# KiCad board 4-ch-backplane.kicad_pcb (continued)
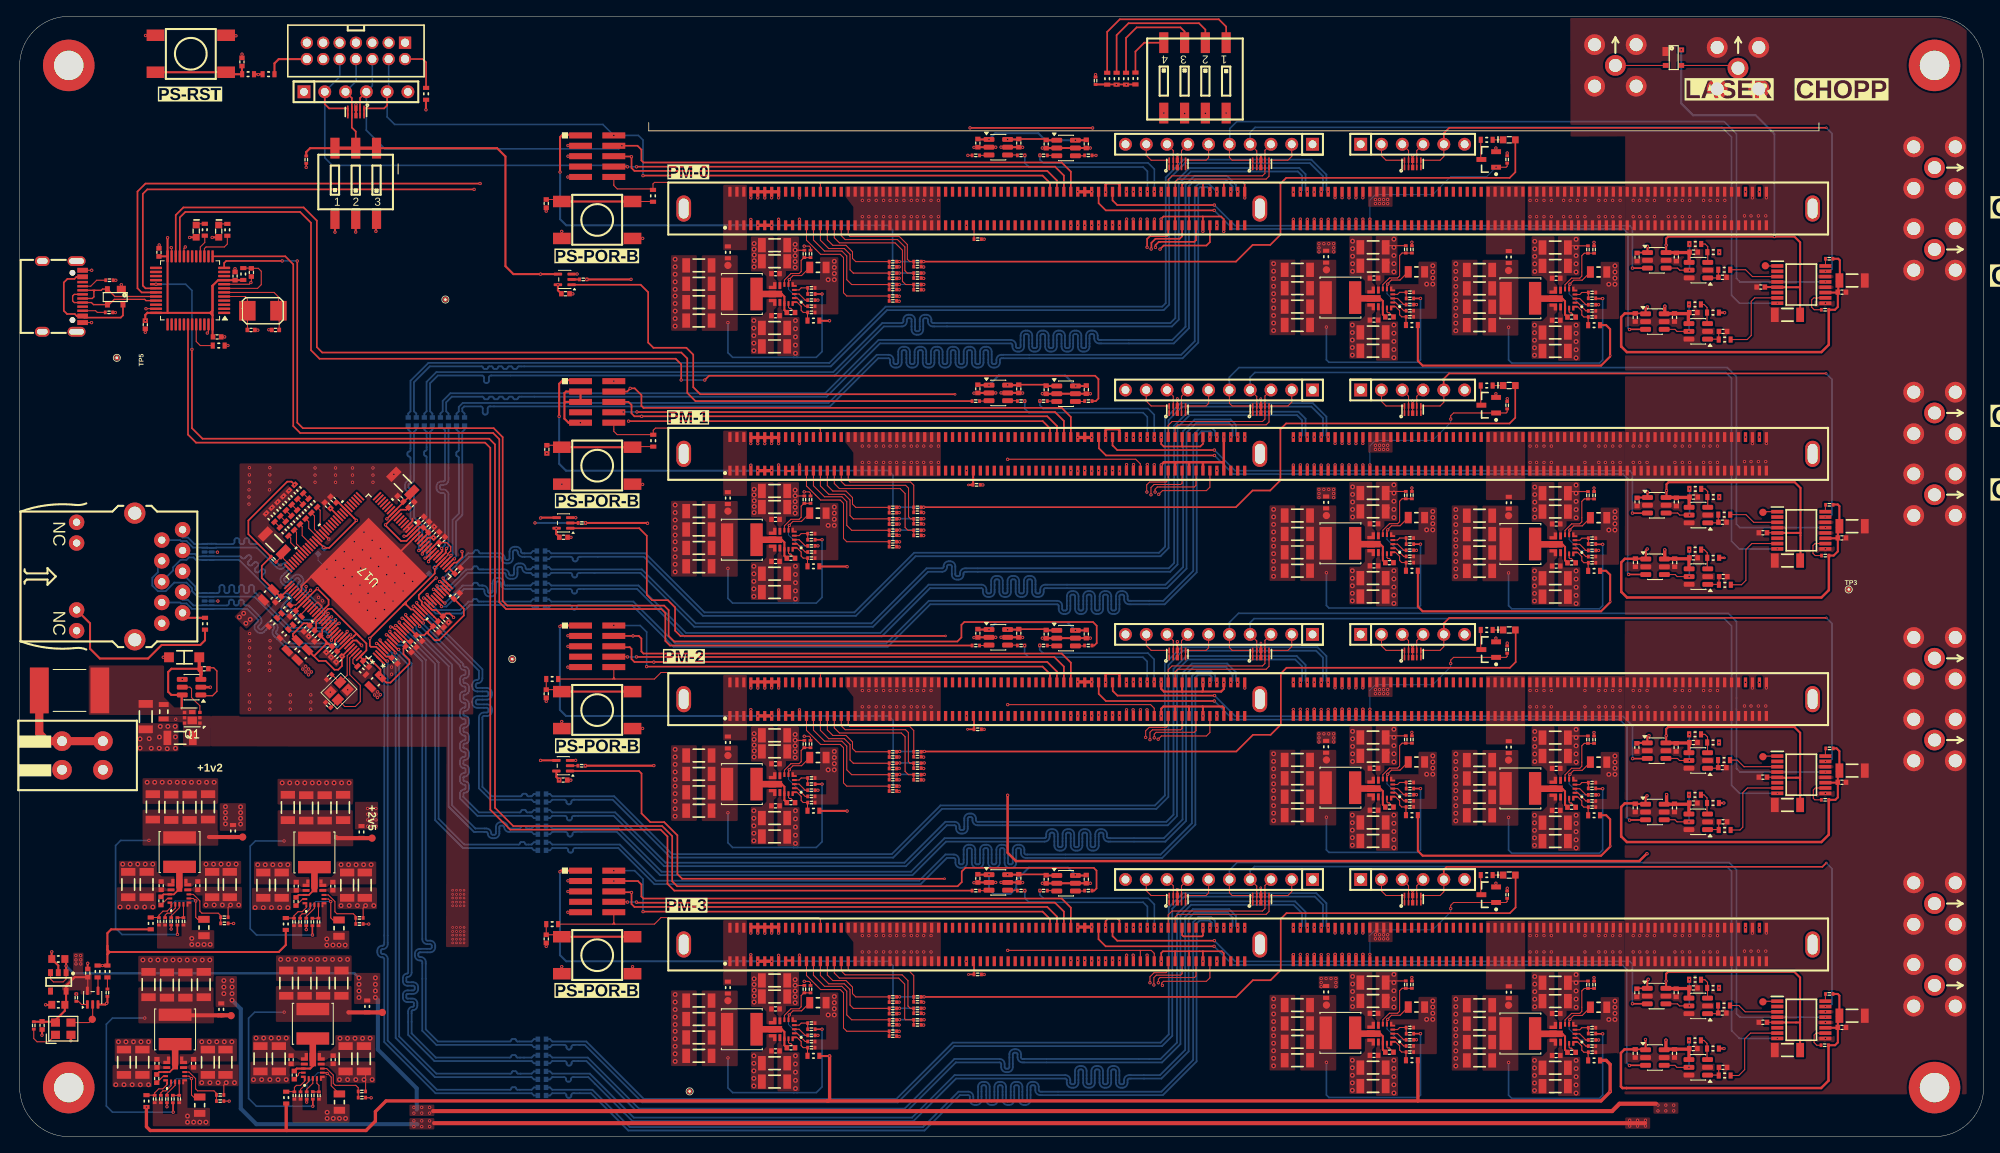
[diagram p0: board, top side]
## Routing (per net, layer and track width the routed paths; a pad name or vN(x,y) marks a point on that pad's centre or on a via; arc(x,y) is an arc through that point) (continued)
/TOP_LEVEL_IO/ETH4_TD2_N: length 121.5
  Bottom Layer w0.22: C130.2 64.81,9.95 65.09,9.67 69.43,9.67 75.68,3.42 108.15,3.42 114.23,9.5 119.76,9.5 arc(120.19,9.32) 120.37,8.89 120.37,8.5 arc(120.42,8.37) 120.56,8.31 120.76,8.31 arc(120.89,8.37) 120.94,8.5 120.94,10.08 arc(121.12,10.51) 121.56,10.69 121.76,10.69 arc(122.19,10.51) 122.37,10.08 122.37,9.69 arc(122.42,9.56) 122.56,9.5 139.43,9.5 141.43,11.5 141.43,27.23 142.98,28.78 155.85,28.78 157.14,27.49 157.14,25.76 v1(157.35,25.55)
/TOP_LEVEL_IO/ETH4_TD2_P: length 121.5
  Bottom Layer w0.22: C128.2 64.81,8.97 65.09,9.25 66.6,9.25 arc(66.77,9.18) 66.84,9.01 66.84,8.93 arc(66.91,8.76) 67.08,8.69 67.2,8.69 arc(67.37,8.76) 67.44,8.93 67.44,9.01 arc(67.51,9.18) 67.68,9.25 69.25,9.25 75.5,3 108.33,3 114.4,9.08 119.76,9.08 arc(119.89,9.02) 119.94,8.89 119.94,8.5 arc(120.12,8.07) 120.56,7.89 120.76,7.89 arc(121.19,8.07) 121.37,8.5 121.37,10.08 arc(121.42,10.21) 121.56,10.26 121.76,10.26 arc(121.89,10.21) 121.94,10.08 121.94,9.69 arc(122.12,9.26) 122.56,9.08 139.6,9.08 141.85,11.33 141.85,27.05 143.15,28.35 155.67,28.35 156.71,27.31 156.71,25.76 v1(156.5,25.55)
/TOP_LEVEL_IO/ETH4_TD3_N: length 121.5
  Bottom Layer w0.22: v1(159.9,25.55) 159.69,25.76 159.69,28.54 158.45,29.78 142.15,29.78 140.43,28.05 140.43,12.5 139.43,11.5 114.03,11.5 107.14,4.61 76.26,4.61 69.24,11.64 65.09,11.64 64.81,11.92 C132.2
/TOP_LEVEL_IO/ETH4_TD3_P: length 121.5
  Bottom Layer w0.22: C131.2 64.81,10.94 65.09,11.22 66.59,11.22 arc(66.76,11.15) 66.83,10.98 66.83,10.9 arc(66.9,10.73) 67.07,10.66 67.19,10.66 arc(67.36,10.73) 67.43,10.9 67.43,10.98 arc(67.5,11.15) 67.67,11.22 69.06,11.22 76.09,4.19 107.31,4.19 114.2,11.08 139.6,11.08 140.85,12.32 140.85,27.87 142.33,29.35 158.27,29.35 159.26,28.36 159.26,25.76 v1(159.05,25.55)
/TOP_LEVEL_IO/ETH5_TD0_N: length 29.8
  Top Layer w0.22: U17.113 37.37,62.93 37.99,63.56 v1(38.12,63.56)
  Bottom Layer w0.22: v1(38.12,63.56) 37.47,63.56 34.12,66.91 arc(33.94,67.34) 34.12,67.78 34.2,67.86 arc(34.26,67.99) 34.2,68.13 34.06,68.27 arc(33.93,68.32) 33.79,68.27 33.06,67.53 arc(32.63,67.35) 32.19,67.53 32.05,67.67 arc(31.87,68.11) 32.05,68.54 32.79,69.27 arc(32.84,69.41) 32.79,69.54 32.65,69.68 arc(32.51,69.74) 32.38,69.68 32.29,69.6 arc(31.86,69.42) 31.43,69.6 28.99,72.04 24.02,72.04 23.98,72 D28.7 22.96,72 22.92,72.04 21.19,72.04 20.39,72.84 19.73,72.84 19.61,72.95 J6.2
/TOP_LEVEL_IO/ETH5_TD0_P: length 29.8
  Top Layer w0.22: U17.112 37.07,63.23 37.69,63.86 v1(37.69,63.98)
  Bottom Layer w0.22: v1(37.69,63.98) 37.69,63.98 37.64,63.98 34.42,67.21 arc(34.36,67.34) 34.42,67.48 34.5,67.56 arc(34.68,67.99) 34.5,68.43 34.36,68.57 arc(33.93,68.75) 33.49,68.57 32.76,67.83 arc(32.63,67.78) 32.49,67.83 32.35,67.97 arc(32.3,68.11) 32.35,68.24 33.09,68.97 arc(33.27,69.41) 33.09,69.84 32.95,69.98 arc(32.51,70.16) 32.08,69.98 31.99,69.9 arc(31.86,69.84) 31.73,69.9 29.16,72.46 28.29,72.46 arc(28.12,72.53) 28.05,72.7 28.05,72.94 arc(27.98,73.11) 27.81,73.18 27.69,73.18 arc(27.52,73.11) 27.45,72.94 27.45,72.7 arc(27.38,72.53) 27.21,72.46 27.09,72.46 arc(26.92,72.53) 26.85,72.7 26.85,72.94 arc(26.78,73.11) 26.61,73.18 26.49,73.18 arc(26.32,73.11) 26.25,72.94 26.25,72.7 arc(26.18,72.53) 26.01,72.46 24.02,72.46 23.98,72.5 D28.6 22.96,72.5 22.92,72.46 21.36,72.46 20.56,73.26 19.91,73.26 J6.1
/TOP_LEVEL_IO/ETH5_TD1_N: length 29.8
  Top Layer w0.22: U17.116 38.22,62.08 38.92,62.78 v1(39.04,62.78)
  Bottom Layer w0.22: v1(39.04,62.78) 34.54,62.78 33.36,63.97 arc(33.25,64.01) 33.15,63.97 arc(32.74,63.8) 32.34,63.97 32.14,64.16 arc(31.97,64.57) 32.14,64.97 32.75,65.58 arc(32.8,65.71) 32.75,65.85 32.61,65.99 arc(32.47,66.04) 32.34,65.99 32.27,65.92 arc(31.84,65.74) 31.41,65.92 26.78,70.54 21.53,70.54 21.24,70.83 20.69,70.83 20.39,70.53 19.66,70.53 18.76,69.62 18.76,69.25 J6.6
/TOP_LEVEL_IO/ETH5_TD1_P: length 29.9
  Top Layer w0.22: U17.115 37.92,62.38 38.62,63.08 v1(38.62,63.21)
  Bottom Layer w0.22: v1(38.62,63.21) 38.61,63.21 38.35,63.21 38.29,63.15 37.95,63.15 37.89,63.21 34.72,63.21 33.66,64.27 arc(33.25,64.43) 32.85,64.27 arc(32.74,64.22) 32.64,64.27 32.44,64.46 arc(32.4,64.57) 32.44,64.67 33.05,65.28 arc(33.23,65.71) 33.05,66.15 32.91,66.29 arc(32.47,66.47) 32.04,66.29 31.97,66.22 arc(31.84,66.16) 31.71,66.22 29.64,68.29 arc(29.57,68.46) 29.64,68.62 29.95,68.93 arc(30.02,69.1) 29.95,69.27 29.86,69.36 arc(29.69,69.43) 29.52,69.36 29.21,69.05 arc(29.04,68.98) 28.87,69.05 28.79,69.13 arc(28.72,69.3) 28.79,69.47 29.1,69.78 arc(29.17,69.95) 29.1,70.12 29.01,70.21 arc(28.84,70.28) 28.67,70.21 28.37,69.9 arc(28.2,69.83) 28.03,69.9 27.94,69.98 arc(27.87,70.15) 27.94,70.32 28.25,70.63 arc(28.32,70.8) 28.25,70.97 28.16,71.05 arc(28,71.12) 27.83,71.05 27.52,70.75 arc(27.35,70.68) 27.18,70.75 26.96,70.96 21.71,70.96 21.42,71.26 20.34,71.26 J6.3
/TOP_LEVEL_IO/ETH5_TD2_N: length 29.9
  Top Layer w0.22: v1(38.1,60.71) 38.1,60.84 38.76,61.5 U17.118
  Bottom Layer w0.22: v1(38.1,60.71) 38.1,61.67 37.55,62.21 33.11,62.21 28.86,66.46 arc(28.69,66.53) 28.62,66.7 28.62,67.2 arc(28.55,67.37) 28.38,67.44 28.26,67.44 arc(28.09,67.37) 28.02,67.2 28.02,66.7 arc(27.95,66.53) 27.78,66.46 27.66,66.46 arc(27.49,66.53) 27.42,66.7 27.42,67.2 arc(27.35,67.37) 27.18,67.44 27.06,67.44 arc(26.89,67.37) 26.82,67.2 26.82,66.7 arc(26.75,66.53) 26.58,66.46 26.46,66.46 arc(26.29,66.53) 26.22,66.7 26.22,67.2 arc(26.15,67.37) 25.98,67.44 25.86,67.44 arc(25.69,67.37) 25.62,67.2 25.62,66.7 arc(25.55,66.53) 25.38,66.46 25.26,66.46 arc(25.09,66.53) 25.02,66.7 25.02,67.2 arc(24.95,67.37) 24.78,67.44 24.66,67.44 arc(24.49,67.37) 24.42,67.2 24.42,66.7 arc(24.35,66.53) 24.18,66.46 21.92,66.46 21.49,66.89 21.49,67.25 19.91,68.83 J6.5
/TOP_LEVEL_IO/ETH5_TD2_P: length 29.9
  Top Layer w0.22: v1(37.67,61.14) 37.8,61.14 38.47,61.8 U17.117
  Bottom Layer w0.22: v1(37.67,61.14) 37.67,61.49 37.38,61.79 32.94,61.79 28.68,66.04 21.74,66.04 21.07,66.72 21.07,67.07 20.39,67.75 18.89,67.75 17.85,66.71 16.89,66.71 16.22,67.39 16.22,68.34 16.89,69.02 16.89,69.94 J6.4
/TOP_LEVEL_IO/ETH5_TD3_N: length 29.8
  Top Layer w0.22: v1(40.45,61.36) 40.32,61.36 39.63,60.67 U17.121
  Bottom Layer w0.22: v1(40.45,61.36) 40.32,61.36 38.84,59.88 37.75,59.88 37.74,59.89 32.44,59.89 31.07,61.25 arc(30.89,61.69) 31.07,62.12 31.07,62.12 arc(31.13,62.26) 31.07,62.39 30.93,62.53 arc(30.8,62.59) 30.67,62.53 29.88,61.75 arc(29.45,61.57) 29.02,61.75 28.88,61.89 arc(28.7,62.32) 28.88,62.75 29.09,62.97 arc(29.15,63.1) 29.09,63.23 27.78,64.54 21.06,64.54 20.39,65.21 19.73,65.21 19.61,65.32 J6.8
/TOP_LEVEL_IO/ETH5_TD3_P: length 29.8
  Top Layer w0.22: v1(40.02,61.78) 40.02,61.66 39.33,60.97 U17.120
  Bottom Layer w0.22: v1(40.02,61.78) 40.02,61.66 38.66,60.3 37.93,60.3 37.92,60.31 32.61,60.31 31.37,61.55 arc(31.31,61.69) 31.37,61.82 31.37,61.82 arc(31.55,62.26) 31.37,62.69 31.23,62.83 arc(30.8,63.01) 30.37,62.83 29.58,62.05 arc(29.45,61.99) 29.32,62.05 29.18,62.19 arc(29.12,62.32) 29.18,62.45 29.39,62.67 arc(29.57,63.1) 29.39,63.53 27.96,64.96 27.62,64.96 arc(27.45,65.03) 27.38,65.2 27.38,65.42 arc(27.31,65.59) 27.14,65.66 27.02,65.66 arc(26.85,65.59) 26.78,65.42 26.78,65.2 arc(26.71,65.03) 26.54,64.96 26.42,64.96 arc(26.25,65.03) 26.18,65.2 26.18,65.42 arc(26.11,65.59) 25.94,65.66 25.82,65.66 arc(25.65,65.59) 25.58,65.42 25.58,65.2 arc(25.51,65.03) 25.34,64.96 21.23,64.96 20.56,65.63 19.91,65.63 J6.7
/TOP_LEVEL_IO/ETHERNET/ETH_LD1: length 39
  Top Layer w0.12: U17.102 34.24,66.04 35,66.8 v1(35,67.28)
  In1.Cu w0.25: v1(35,67.28) 35,67.2 34.93,67.28 34.93,67.4 27.55,74.78 27.55,77 25.7,78.85 7.92,78.85 6.96,77.89 J6.11
/TOP_LEVEL_IO/ETHERNET/ETH_LD2: length 46.7
  Top Layer w0.12: R141.2 33.74,65.01 34.49,65.76 U17.103 34.52,65.8 v1(35.55,66.82)
  In1.Cu w0.2: v1(35.55,66.82) 34.35,65.62 33.03,65.62 30.07,68.57 24.18,68.57 23.2,67.6 23.2,58.7 22.25,57.75 8.14,57.75 6.96,58.92 J6.14
/TOP_LEVEL_IO/HOUSE_POWER/CLK_1MHz: length 4.3
  Top Layer w0.12: 8.92,14.6 U13.2 ; Y1.3 8.47,13.95 8.72,14.2 8.92,14.2
/TOP_LEVEL_IO/HOUSE_POWER/SYNC_CLK: length 563.5
  Top Layer w0.25: R67.1 170.86,94.87 171.44,94.29 193.25,94.29 194.36,95.4 v3(194.36,95.53) 194.36,98.75 193.87,99.24 193.16,99.24 ; 11,22.58 31.66,22.58 32.52,23.44 R104.1 ; 11,22.58 11,22.56 10.72,22.29 ; 11,22.58 10.72,22.85 10.72,23.32 ; v1(98.97,99.77) 97.73,99.77 ; R71.2 R70.2 ; R71.2 v1(10.12,20.92) ; R71.2 10.72,22.29 ; 10.72,23.32 10.72,22.29 ; 10.72,23.32 10.72,24.89 11.19,25.35 R110.1 ; 193.16,69.2 193.87,69.2 194.36,68.71 v3(194.36,65.43) 194.36,65.35 193.25,64.24 171.45,64.24 170.87,64.83 170.87,69.21 ; v1(101.12,39.82) 101.1,39.83 97.73,39.83 ; 193.16,39.31 193.87,39.31 194.36,38.82 v3(194.36,35.54) 194.36,35.46 193.25,34.35 171.45,34.35 170.87,34.94 170.87,39.32 ; 97.73,69.72 101.09,69.72 v1(101.12,69.7) ; v1(98.97,9.86) 97.73,9.86
  Top Layer w0.4: 98.66,4.37 170.81,4.37 ; 98.66,4.37 44.77,4.37 43.47,3.07 43.47,1.9 42.32,0.75 15.96,0.75 15.5,1.21 v1(15.5,3.62) ; 98.66,4.37 98.88,4.37 98.97,4.47 98.97,9.85 v1(98.97,9.86) ; 193.16,9.33 193.87,9.33 194.36,8.84 v3(194.36,5.56) 194.36,5.48 193.25,4.37 170.87,4.37 ; 32.57,0.99 R93.1 ; 170.87,9.34 170.87,4.37
  In1.Cu w0.4: v3(194.36,5.56) 194.36,9.09 196.36,11.09 196.36,33.54 v3(194.36,35.54) ; v1(98.97,9.86) 100.81,9.86 101.12,10.17 101.12,99.12 100.46,99.77 v1(98.97,99.77) ; 194.36,65.43 194.36,68.96 196.35,70.96 196.35,93.53 v3(194.36,95.53) ; v1(10.12,20.92) 10.12,2.69 12.03,0.78 14.85,0.78 15.5,1.43 15.5,3.61 v1(15.5,3.62) ; v3(194.36,65.43) 196.35,63.44 196.35,41.09 194.36,39.09 194.36,35.56
/TOP_LEVEL_IO/HOUSE_POWER/TPS543320_BUCK_1V2/BP5: length 10.7
  Top Layer w0.12: R99.1 v1(18.52,25.39) ; U3.6 21.22,29.13 21.52,28.83 21.52,26.83 21.77,26.57 C29.2
  Bottom Layer w0.12: 21.56,28.82 19,28.82 18.56,28.38 18.56,25.38
  vias: v1(21.52,28.82)
/TOP_LEVEL_IO/HOUSE_POWER/TPS543320_BUCK_1V2/FB: length 2.4
  Top Layer w0.12: 19.27,26.78 R91.2 20.02,26.78 U3.4
/TOP_LEVEL_IO/HOUSE_POWER/TPS543320_BUCK_1V2/L+: length 5.4
  Top Layer w0.2: U3.10 19.52,30.3 18.85,29.63 U3.13 17.57,29.63 C129.2
  Top Layer w0.8: U3.10 19.52,33.03
/TOP_LEVEL_IO/HOUSE_POWER/TPS543320_BUCK_1V2/L-: length 28.7
  Top Layer w0.2: 19.27,25.88 19.27,24.74 v1(19.29,24.72) ; 23.05,38.8 C111.2
  Top Layer w0.5: 25.47,36.64 23.13,36.64 ; 25.47,36.64 26.06,36.64 26.07,36.64 TP13.1 ; 25.47,36.64 26.38,36.64
  Bottom Layer w0.2: 19.36,24.72 12.5,24.72 11.72,25.5 11.72,35.6 12.35,36.22 15.86,36.22
  vias: v1(15.81,36.23)
/TOP_LEVEL_IO/HOUSE_POWER/TPS543320_BUCK_1V2/MODE: length 2.4
  Top Layer w0.12: R105.2 17.77,27.08 18.02,27.33 18.4,27.33 19.02,27.95 U3.2
/TOP_LEVEL_IO/HOUSE_POWER/TPS543320_BUCK_1V8/BP5: length 10.3
  Top Layer w0.12: U18.6 20.7,7.4 21,7.1 21,5.1 21.25,4.85 C30.2 ; R107.1 v1(18,3.66)
  Bottom Layer w0.12: 21.04,7.08 21.03,7.09 19.15,7.09 18.04,5.98 18.04,3.65
  vias: v1(21,7.1)
/TOP_LEVEL_IO/HOUSE_POWER/TPS543320_BUCK_1V8/FB: length 2.4
  Top Layer w0.12: U18.4 19.5,5.05 R92.2 18.75,5.05
/TOP_LEVEL_IO/HOUSE_POWER/TPS543320_BUCK_1V8/L+: length 5.4
  Top Layer w0.2: U18.10 19,8.57 18.33,7.9 U18.13 17.05,7.9 C141.2
  Top Layer w0.8: U18.10 19,11.3
/TOP_LEVEL_IO/HOUSE_POWER/TPS543320_BUCK_1V8/L-: length 31.7
  Top Layer w0.2: 24.64,14.85 24.65,14.84 ; 18.75,4.15 18.75,3.01 v1(18.77,3) ; 19.07,14.84 L11.2 ; 25.8,14.84 TP14.1
  Top Layer w0.5: 24.65,14.84 19.07,14.84 ; R118.1 25.8,14.84
  Bottom Layer w0.2: 15.35,14.5 11.35,14.5 10.6,13.75 10.6,3.75 11.35,3 18.85,3
  vias: v1(15.29,14.5)
/TOP_LEVEL_IO/HOUSE_POWER/TPS543320_BUCK_1V8/MODE: length 2.4
  Top Layer w0.12: U18.2 18.5,6.23 17.88,5.6 17.5,5.6 17.25,5.35 R106.2
/TOP_LEVEL_IO/HOUSE_POWER/TPS543320_BUCK_2V5/BP5: length 10.3
  Top Layer w0.12: C28.2 38.28,26.5 38.02,26.76 38.02,28.76 37.72,29.06 U2.6 ; R98.1 v1(35.02,25.32)
  Bottom Layer w0.12: 38.07,28.75 38.06,28.76 36.18,28.76 35.07,27.65 35.07,25.32
  vias: v1(38.02,28.75)
/TOP_LEVEL_IO/HOUSE_POWER/TPS543320_BUCK_2V5/FB: length 2.4
  Top Layer w0.12: U2.4 36.52,26.71 R80.2 R1.1
/TOP_LEVEL_IO/HOUSE_POWER/TPS543320_BUCK_2V5/L+: length 5.4
  Top Layer w0.2: U2.10 36.02,30.23 35.35,29.56 U2.13 34.07,29.56 C117.2
  Top Layer w0.8: U2.10 L8.1
/TOP_LEVEL_IO/HOUSE_POWER/TPS543320_BUCK_2V5/L-: length 28.2
  Top Layer w0.2: R1.2 35.77,24.67 v1(35.79,24.65)
  Top Layer w0.5: 38.66,36.66 38.81,36.51 TP12.1
  Bottom Layer w0.2: 35.86,24.66 28.94,24.66 28.18,25.43 28.18,35.53 28.81,36.16 32.36,36.16
  vias: v1(32.31,36.16)
/TOP_LEVEL_IO/HOUSE_POWER/TPS543320_BUCK_2V5/MODE: length 2.4
  Top Layer w0.12: R5.2 34.27,27.01 34.52,27.26 34.9,27.26 35.52,27.88 U2.2
/TOP_LEVEL_IO/HOUSE_POWER/TPS543620_BUCK_5V0_HOUSE/FB: length 2.5
  Top Layer w0.12: 35.82,5.47 R66.2 36.57,6.28 36.32,6.53 U22.4
/TOP_LEVEL_IO/HOUSE_POWER/TPS543620_BUCK_5V0_HOUSE/L+: length 5.8
  Top Layer w0.25: U22.10 35.82,8.65 35.5,8.33 U22.13 33.86,8.33 C104.1
  Top Layer w0.8: U22.10 35.82,11.97
/TOP_LEVEL_IO/HOUSE_POWER/TPS543620_BUCK_5V0_HOUSE/L-: length 27.8
  Top Layer w0.2: 35.82,4.57 v1(35.82,3.72)
  Top Layer w0.5: TP10.1 40.19,15.19 40.18,15.2
  Bottom Layer w0.2: 32.37,15.22 28.72,15.22 27.97,14.47 27.97,4.67 28.93,3.72 35.87,3.72
  vias: v1(32.32,15.22)
/TOP_LEVEL_IO/HOUSE_POWER/TPS543620_BUCK_5V0_HOUSE/MODE: length 2.1
  Top Layer w0.12: R95.2 34.32,5.78 35.33,6.78 U22.2
/TOP_LEVEL_IO/INPUT_PROTECTION/Gate: length 4.5
  Top Layer w0.12: Q1.3 22.03,52.69 21.75,52.97 21.73,52.97 21.01,53.69 21.01,54.77 20.81,54.97 U1.5
/TOP_LEVEL_IO/JTAG/PS-RST-B: length 5.5
  Top Layer w0.25: R111.2 31.14,131.25 31.66,131.77 J2.14
/TOP_LEVEL_IO/JTAG/Vref: length 5.9
  Top Layer w0.2: R112.2 49.66,131.38 49.26,131.77 J2.2
/TOP_LEVEL_IO/LASER_SYNC_INPUT: length 132.3
  Top Layer w0.12: U16.2 J19.1
  In1.Cu w0.276: J19.1 195,124.05 195.62,123.42 203.43,123.42 204.6,122.25 204.6,110.38 205.3,109.67 207.38,109.67 207.69,109.36 v1(207.69,108.16) 207.69,85.73 208.39,85.02 208.39,79 207.69,78.29 v1(207.69,78.21) 207.69,56.46 208.81,55.34 208.81,49.63 207.66,48.48 v1(207.66,48.2) 207.66,27.19 208.57,26.28 208.57,19.1 v1(207.66,18.19)
/TOP_LEVEL_IO/NET_SWITCH/E1_TD0_N: length 70
  Top Layer w0.22: U17.2 43.98,58.97 44.79,58.16 v1(44.92,58.16)
  Bottom Layer w0.22: v1(44.92,58.16) 44.92,58.03 44.97,57.97 44.97,23.54 arc(44.8,23.11) 44.36,22.93 44.32,22.93 arc(44.19,22.87) 44.13,22.74 44.13,22.54 arc(44.19,22.4) 44.32,22.35 44.36,22.35 arc(44.8,22.17) 44.97,21.74 44.97,11.75 50.99,5.74 59.92,5.74 arc(60.03,5.78) 60.08,5.89 arc(60.12,6) 60.23,6.04 60.52,6.04 arc(60.63,6) 60.68,5.89 arc(60.72,5.78) 60.83,5.74 62.56,5.74 62.84,6.02 C73.1
/TOP_LEVEL_IO/NET_SWITCH/E1_TD0_P: length 70.1
  Top Layer w0.22: U17.1 43.68,58.67 44.49,57.86 v1(44.49,57.73)
  Bottom Layer w0.22: C69.1 62.84,5.03 62.56,5.31 50.81,5.31 44.55,11.57 44.55,21.74 arc(44.5,21.87) 44.36,21.93 44.32,21.93 arc(43.89,22.11) 43.71,22.54 43.71,22.74 arc(43.89,23.17) 44.32,23.35 44.36,23.35 arc(44.5,23.4) 44.55,23.54 44.55,57.66 44.62,57.73 v1(44.49,57.73)
/TOP_LEVEL_IO/NET_SWITCH/E1_TD1_N: length 70.1
  Top Layer w0.22: v1(44.04,60.74) 44.04,60.61 44.81,59.84 U17.5
  Bottom Layer w0.22: v1(44.04,60.74) 44.04,60.61 45.49,59.16 45.49,58.99 45.73,58.75 45.9,58.75 46.38,58.27 46.38,12.25 50.92,7.7 59.99,7.7 arc(60.1,7.75) 60.14,7.86 arc(60.19,7.97) 60.29,8.01 60.59,8.01 arc(60.7,7.97) 60.74,7.86 arc(60.79,7.75) 60.89,7.7 62.56,7.7 62.84,7.98 C116.1
/TOP_LEVEL_IO/NET_SWITCH/E1_TD1_P: length 70.1
  Top Layer w0.22: U17.4 44.51,59.54 43.74,60.31 v1(43.61,60.31)
  Bottom Layer w0.22: v1(43.61,60.31) 43.74,60.31 45.06,58.99 45.06,58.81 45.55,58.32 45.73,58.32 45.95,58.1 45.95,12.07 50.75,7.28 62.56,7.28 62.84,7 C81.1
/TOP_LEVEL_IO/NET_SWITCH/E1_TD2_N: length 70.1
  Top Layer w0.22: U17.7 45.39,60.39 46.2,59.58 v1(46.32,59.58)
  Bottom Layer w0.22: v1(46.32,59.58) 46.32,59.46 47.9,57.88 47.9,20.05 arc(47.74,19.68) 47.37,19.52 arc(47.29,19.49) 47.26,19.41 47.26,18.99 arc(47.29,18.92) 47.37,18.88 48.09,18.88 arc(48.52,18.7) 48.7,18.27 48.7,18.07 arc(48.52,17.64) 48.09,17.46 47.37,17.46 arc(47.29,17.43) 47.26,17.35 47.26,16.99 arc(47.29,16.92) 47.37,16.88 48.04,16.88 arc(48.43,16.72) 48.6,16.32 48.6,16.02 arc(48.43,15.62) 48.04,15.46 arc(47.94,15.42) 47.9,15.32 47.9,12.62 50.85,9.67 59.92,9.67 arc(60.03,9.72) 60.08,9.83 arc(60.12,9.93) 60.23,9.98 60.52,9.98 arc(60.63,9.93) 60.68,9.83 arc(60.72,9.72) 60.83,9.67 62.56,9.67 62.84,9.95 C130.1
/TOP_LEVEL_IO/NET_SWITCH/E1_TD2_P: length 70.1
  Top Layer w0.22: v1(45.9,59.16) 45.9,59.28 45.09,60.09 U17.6
  Bottom Layer w0.22: C128.1 62.84,8.97 62.56,9.25 50.68,9.25 47.48,12.45 47.48,15.32 arc(47.64,15.72) 48.04,15.88 arc(48.13,15.92) 48.17,16.02 48.17,16.32 arc(48.13,16.42) 48.04,16.46 47.37,16.46 arc(46.99,16.62) 46.83,16.99 46.83,17.35 arc(46.99,17.73) 47.37,17.88 48.09,17.88 arc(48.22,17.94) 48.28,18.07 48.28,18.27 arc(48.22,18.4) 48.09,18.46 47.37,18.46 arc(46.99,18.62) 46.83,18.99 46.83,19.41 arc(46.99,19.79) 47.37,19.94 arc(47.44,19.97) 47.48,20.05 47.48,57.7 46.02,59.16 v1(45.9,59.16)
/TOP_LEVEL_IO/NET_SWITCH/E1_TD3_N: length 70.1
  Top Layer w0.22: U17.9 45.94,60.97 45.24,61.67 v1(45.24,61.8)
  Bottom Layer w0.22: C132.1 62.84,11.92 62.56,11.64 60.83,11.64 arc(60.72,11.68) 60.68,11.79 arc(60.63,11.9) 60.52,11.95 60.23,11.95 arc(60.12,11.9) 60.08,11.79 arc(60.03,11.68) 59.92,11.64 51.11,11.64 49.62,13.12 49.62,21.35 arc(49.45,21.79) 49.01,21.97 48.91,21.97 arc(48.77,22.02) 48.72,22.15 48.72,22.35 arc(48.77,22.49) 48.91,22.54 50.17,22.54 arc(50.6,22.72) 50.78,23.15 50.78,23.35 arc(50.6,23.79) 50.17,23.97 49.81,23.97 arc(49.68,24.02) 49.62,24.15 49.62,58.3 47.41,60.51 46.4,60.51 45.24,61.67 v1(45.24,61.8)
/TOP_LEVEL_IO/NET_SWITCH/E1_TD3_P: length 70.1
  Top Layer w0.22: U17.8 45.64,60.67 44.94,61.37 v1(44.81,61.37)
  Bottom Layer w0.22: v1(44.81,61.37) 44.94,61.37 46.22,60.09 47.24,60.09 49.2,58.12 49.2,24.15 arc(49.38,23.72) 49.81,23.54 50.17,23.54 arc(50.3,23.49) 50.36,23.35 50.36,23.15 arc(50.3,23.02) 50.17,22.97 48.91,22.97 arc(48.47,22.79) 48.29,22.35 48.29,22.15 arc(48.47,21.72) 48.91,21.54 49.01,21.54 arc(49.15,21.49) 49.2,21.35 49.2,12.95 50.94,11.22 62.56,11.22 62.84,10.94 C131.1
/TOP_LEVEL_IO/NET_SWITCH/E2_TD0_N: length 41.1
  Top Layer w0.22: U17.13 47.07,62.1 46.38,62.79 v1(46.38,62.92)
  Bottom Layer w0.22: v1(46.38,62.92) 46.38,62.79 51.2,57.97 51.2,38.88 54.36,35.72 60.99,35.72 arc(61.09,35.76) 61.14,35.87 arc(61.18,35.98) 61.29,36.03 61.59,36.03 arc(61.69,35.98) 61.74,35.87 arc(61.78,35.76) 61.89,35.72 62.56,35.72 62.84,36 C134.1
/TOP_LEVEL_IO/NET_SWITCH/E2_TD0_P: length 41.1
  Top Layer w0.22: v1(45.96,62.49) 46.08,62.49 46.77,61.8 U17.12
  Bottom Layer w0.22: v1(45.96,62.49) 46.08,62.49 50.78,57.8 50.78,38.7 54.18,35.3 62.56,35.3 62.84,35.02 C133.1
/TOP_LEVEL_IO/NET_SWITCH/E2_TD1_N: length 41.1
  Top Layer w0.22: v1(47.17,63.82) 47.17,63.7 47.92,62.95 U17.16
  Bottom Layer w0.22: v1(47.17,63.82) 47.17,63.7 48.48,62.39 48.48,62.08 52.85,57.71 52.85,40.53 55.69,37.69 57.03,37.69 arc(57.45,37.51) 57.62,37.09 arc(57.67,36.97) 57.79,36.92 58.03,36.92 arc(58.15,36.97) 58.2,37.09 58.2,37.86 arc(58.37,38.28) 58.79,38.46 59.04,38.46 arc(59.46,38.28) 59.64,37.86 arc(59.69,37.74) 59.81,37.69 61.1,37.69 arc(61.21,37.73) 61.25,37.84 arc(61.3,37.95) 61.41,37.99 61.7,37.99 arc(61.81,37.95) 61.85,37.84 arc(61.9,37.73) 62.01,37.69 62.56,37.69 62.84,37.97 C136.1
/TOP_LEVEL_IO/NET_SWITCH/E2_TD1_P: length 41.1
  Top Layer w0.22: U17.15 47.62,62.65 46.87,63.4 v1(46.74,63.4)
  Bottom Layer w0.22: C135.1 62.84,36.98 62.56,37.26 59.81,37.26 arc(59.39,37.44) 59.21,37.86 arc(59.16,37.98) 59.04,38.03 58.79,38.03 arc(58.67,37.98) 58.62,37.86 58.62,37.09 arc(58.45,36.67) 58.03,36.5 57.79,36.5 arc(57.37,36.67) 57.2,37.09 arc(57.15,37.21) 57.03,37.26 55.51,37.26 52.43,40.35 52.43,57.53 48.06,61.9 48.06,62.21 46.87,63.4 v1(46.74,63.4)
/TOP_LEVEL_IO/NET_SWITCH/E2_TD2_N: length 41.1
  Top Layer w0.22: v1(49.32,62.81) 49.19,62.81 48.5,63.5 U17.18
  Bottom Layer w0.22: v1(49.32,62.81) 49.32,62.68 54.22,57.78 54.22,57.6 arc(54.26,57.51) 54.36,57.47 arc(54.75,57.3) 54.91,56.91 54.91,56.6 arc(54.75,56.21) 54.36,56.04 arc(54.26,56) 54.22,55.91 54.22,55.6 arc(54.26,55.51) 54.36,55.47 arc(54.75,55.3) 54.91,54.91 54.91,54.6 arc(54.75,54.21) 54.36,54.04 arc(54.26,54) 54.22,53.91 54.22,53.6 arc(54.26,53.51) 54.36,53.47 arc(54.75,53.3) 54.91,52.91 54.91,52.6 arc(54.75,52.21) 54.36,52.04 arc(54.26,52) 54.22,51.91 54.22,51.6 arc(54.26,51.51) 54.36,51.47 arc(54.75,51.3) 54.91,50.91 54.91,50.6 arc(54.75,50.21) 54.36,50.04 arc(54.26,50) 54.22,49.91 54.22,49.6 arc(54.26,49.51) 54.36,49.47 arc(54.75,49.3) 54.91,48.91 54.91,48.6 arc(54.75,48.21) 54.36,48.04 arc(54.26,48) 54.22,47.91 54.22,47.6 arc(54.26,47.51) 54.36,47.47 arc(54.75,47.3) 54.91,46.91 54.91,46.6 arc(54.75,46.21) 54.36,46.04 arc(54.26,46) 54.22,45.91 54.22,45.6 arc(54.26,45.51) 54.36,45.47 arc(54.75,45.3) 54.91,44.91 54.91,44.6 arc(54.75,44.21) 54.36,44.04 arc(54.26,44) 54.22,43.91 54.22,43.6 arc(54.26,43.51) 54.36,43.47 arc(54.75,43.3) 54.91,42.91 54.91,42.6 arc(54.75,42.21) 54.36,42.04 arc(54.26,42) 54.22,41.91 54.22,41.55 56.12,39.66 61.13,39.66 arc(61.24,39.7) 61.28,39.81 arc(61.33,39.92) 61.44,39.96 61.73,39.96 arc(61.84,39.92) 61.88,39.81 arc(61.93,39.7) 62.04,39.66 62.56,39.66 62.84,39.94 C140.1
/TOP_LEVEL_IO/NET_SWITCH/E2_TD2_P: length 41.1
  Top Layer w0.22: v1(48.89,62.38) 48.89,62.51 48.2,63.2 U17.17
  Bottom Layer w0.22: C137.1 62.84,38.95 62.56,39.23 55.94,39.23 53.8,41.37 53.8,41.91 arc(53.96,42.3) 54.36,42.47 arc(54.45,42.51) 54.49,42.6 54.49,42.91 arc(54.45,43) 54.36,43.04 arc(53.96,43.21) 53.8,43.6 53.8,43.91 arc(53.96,44.3) 54.36,44.47 arc(54.45,44.51) 54.49,44.6 54.49,44.91 arc(54.45,45) 54.36,45.04 arc(53.96,45.21) 53.8,45.6 53.8,45.91 arc(53.96,46.3) 54.36,46.47 arc(54.45,46.51) 54.49,46.6 54.49,46.91 arc(54.45,47) 54.36,47.04 arc(53.96,47.21) 53.8,47.6 53.8,47.91 arc(53.96,48.3) 54.36,48.47 arc(54.45,48.51) 54.49,48.6 54.49,48.91 arc(54.45,49) 54.36,49.04 arc(53.96,49.21) 53.8,49.6 53.8,49.91 arc(53.96,50.3) 54.36,50.47 arc(54.45,50.51) 54.49,50.6 54.49,50.91 arc(54.45,51) 54.36,51.04 arc(53.96,51.21) 53.8,51.6 53.8,51.91 arc(53.96,52.3) 54.36,52.47 arc(54.45,52.51) 54.49,52.6 54.49,52.91 arc(54.45,53) 54.36,53.04 arc(53.96,53.21) 53.8,53.6 53.8,53.91 arc(53.96,54.3) 54.36,54.47 arc(54.45,54.51) 54.49,54.6 54.49,54.91 arc(54.45,55) 54.36,55.04 arc(53.96,55.21) 53.8,55.6 53.8,55.91 arc(53.96,56.3) 54.36,56.47 arc(54.45,56.51) 54.49,56.6 54.49,56.91 arc(54.45,57) 54.36,57.04 arc(53.96,57.21) 53.8,57.6 49.02,62.38 v1(48.89,62.38)
/TOP_LEVEL_IO/NET_SWITCH/E2_TD3_N: length 41.1
  Top Layer w0.22: U17.21 49.33,64.36 48.53,65.17 v1(48.53,65.3)
  Bottom Layer w0.22: v1(48.53,65.3) 48.53,65.17 56.55,57.15 56.55,56.05 arc(56.37,55.62) 55.94,55.44 55.92,55.44 arc(55.79,55.39) 55.73,55.25 55.73,55.05 arc(55.79,54.92) 55.92,54.87 57.1,54.87 arc(57.54,54.69) 57.71,54.25 57.71,54.05 arc(57.54,53.62) 57.1,53.44 55.92,53.44 arc(55.79,53.39) 55.73,53.25 55.73,53.05 arc(55.79,52.92) 55.92,52.87 57.1,52.87 arc(57.54,52.69) 57.71,52.25 57.71,52.05 arc(57.54,51.62) 57.1,51.44 56.74,51.44 arc(56.6,51.39) 56.55,51.25 56.55,42.78 57.7,41.62 61.23,41.62 arc(61.34,41.67) 61.39,41.78 arc(61.43,41.89) 61.54,41.93 61.83,41.93 arc(61.94,41.89) 61.99,41.78 arc(62.03,41.67) 62.14,41.62 62.56,41.62 62.84,41.9 C143.1
/TOP_LEVEL_IO/NET_SWITCH/E2_TD3_P: length 41.1
  Top Layer w0.22: U17.20 49.04,64.06 48.23,64.87 v1(48.1,64.87)
  Bottom Layer w0.22: v1(48.1,64.87) 48.23,64.87 56.12,56.97 56.12,56.05 arc(56.07,55.92) 55.94,55.87 55.92,55.87 arc(55.49,55.69) 55.31,55.25 55.31,55.05 arc(55.49,54.62) 55.92,54.44 57.1,54.44 arc(57.24,54.39) 57.29,54.25 57.29,54.05 arc(57.24,53.92) 57.1,53.87 55.92,53.87 arc(55.49,53.69) 55.31,53.25 55.31,53.05 arc(55.49,52.62) 55.92,52.44 57.1,52.44 arc(57.24,52.39) 57.29,52.25 57.29,52.05 arc(57.24,51.92) 57.1,51.87 56.74,51.87 arc(56.3,51.69) 56.12,51.25 56.12,42.6 57.53,41.2 62.56,41.2 62.84,40.92 C142.1
/TOP_LEVEL_IO/NET_SWITCH/E3_TD0_N: length 16.6
  Top Layer w0.22: U17.25 50.47,65.49 49.79,66.17 v1(49.79,66.3)
  Bottom Layer w0.22: C145.1 62.73,65.71 62.45,65.43 56.12,65.43 arc(56.01,65.48) 55.96,65.58 arc(55.92,65.69) 55.81,65.74 55.52,65.74 arc(55.41,65.69) 55.36,65.58 arc(55.32,65.48) 55.21,65.43 54.86,65.43 53.82,64.4 51.02,64.4 50.44,64.99 50.44,65.52 49.79,66.17 v1(49.79,66.3)
/TOP_LEVEL_IO/NET_SWITCH/E3_TD0_P: length 16.6
  Top Layer w0.22: v1(49.36,65.87) 49.49,65.87 50.17,65.19 U17.24
  Bottom Layer w0.22: v1(49.36,65.87) 49.49,65.87 50.01,65.35 50.01,64.81 50.85,63.98 54,63.98 55.03,65.01 62.45,65.01 62.73,64.73 C144.1
/TOP_LEVEL_IO/NET_SWITCH/E3_TD1_N: length 16.6
  Top Layer w0.22: U17.27 51.05,66.04 51.84,65.25 v1(51.97,65.25)
  Bottom Layer w0.22: v1(51.97,65.25) 52,65.22 52,65.27 54.12,67.4 55.25,67.4 arc(55.36,67.45) 55.41,67.56 arc(55.46,67.68) 55.58,67.73 55.85,67.73 arc(55.96,67.68) 56.01,67.56 arc(56.06,67.45) 56.18,67.4 56.6,67.4 arc(57.03,67.22) 57.21,66.79 57.21,66.67 arc(57.27,66.53) 57.4,66.48 57.6,66.48 arc(57.73,66.53) 57.79,66.67 57.79,67.71 arc(57.97,68.14) 58.4,68.32 58.6,68.32 arc(59.03,68.14) 59.21,67.71 59.21,67.59 arc(59.27,67.45) 59.4,67.4 62.45,67.4 62.73,67.68 C200.1
